# Altium PCB LightLink_V2.1_FINAL_LAYOUT.PcbDoc (part 3 of 3) (continued)
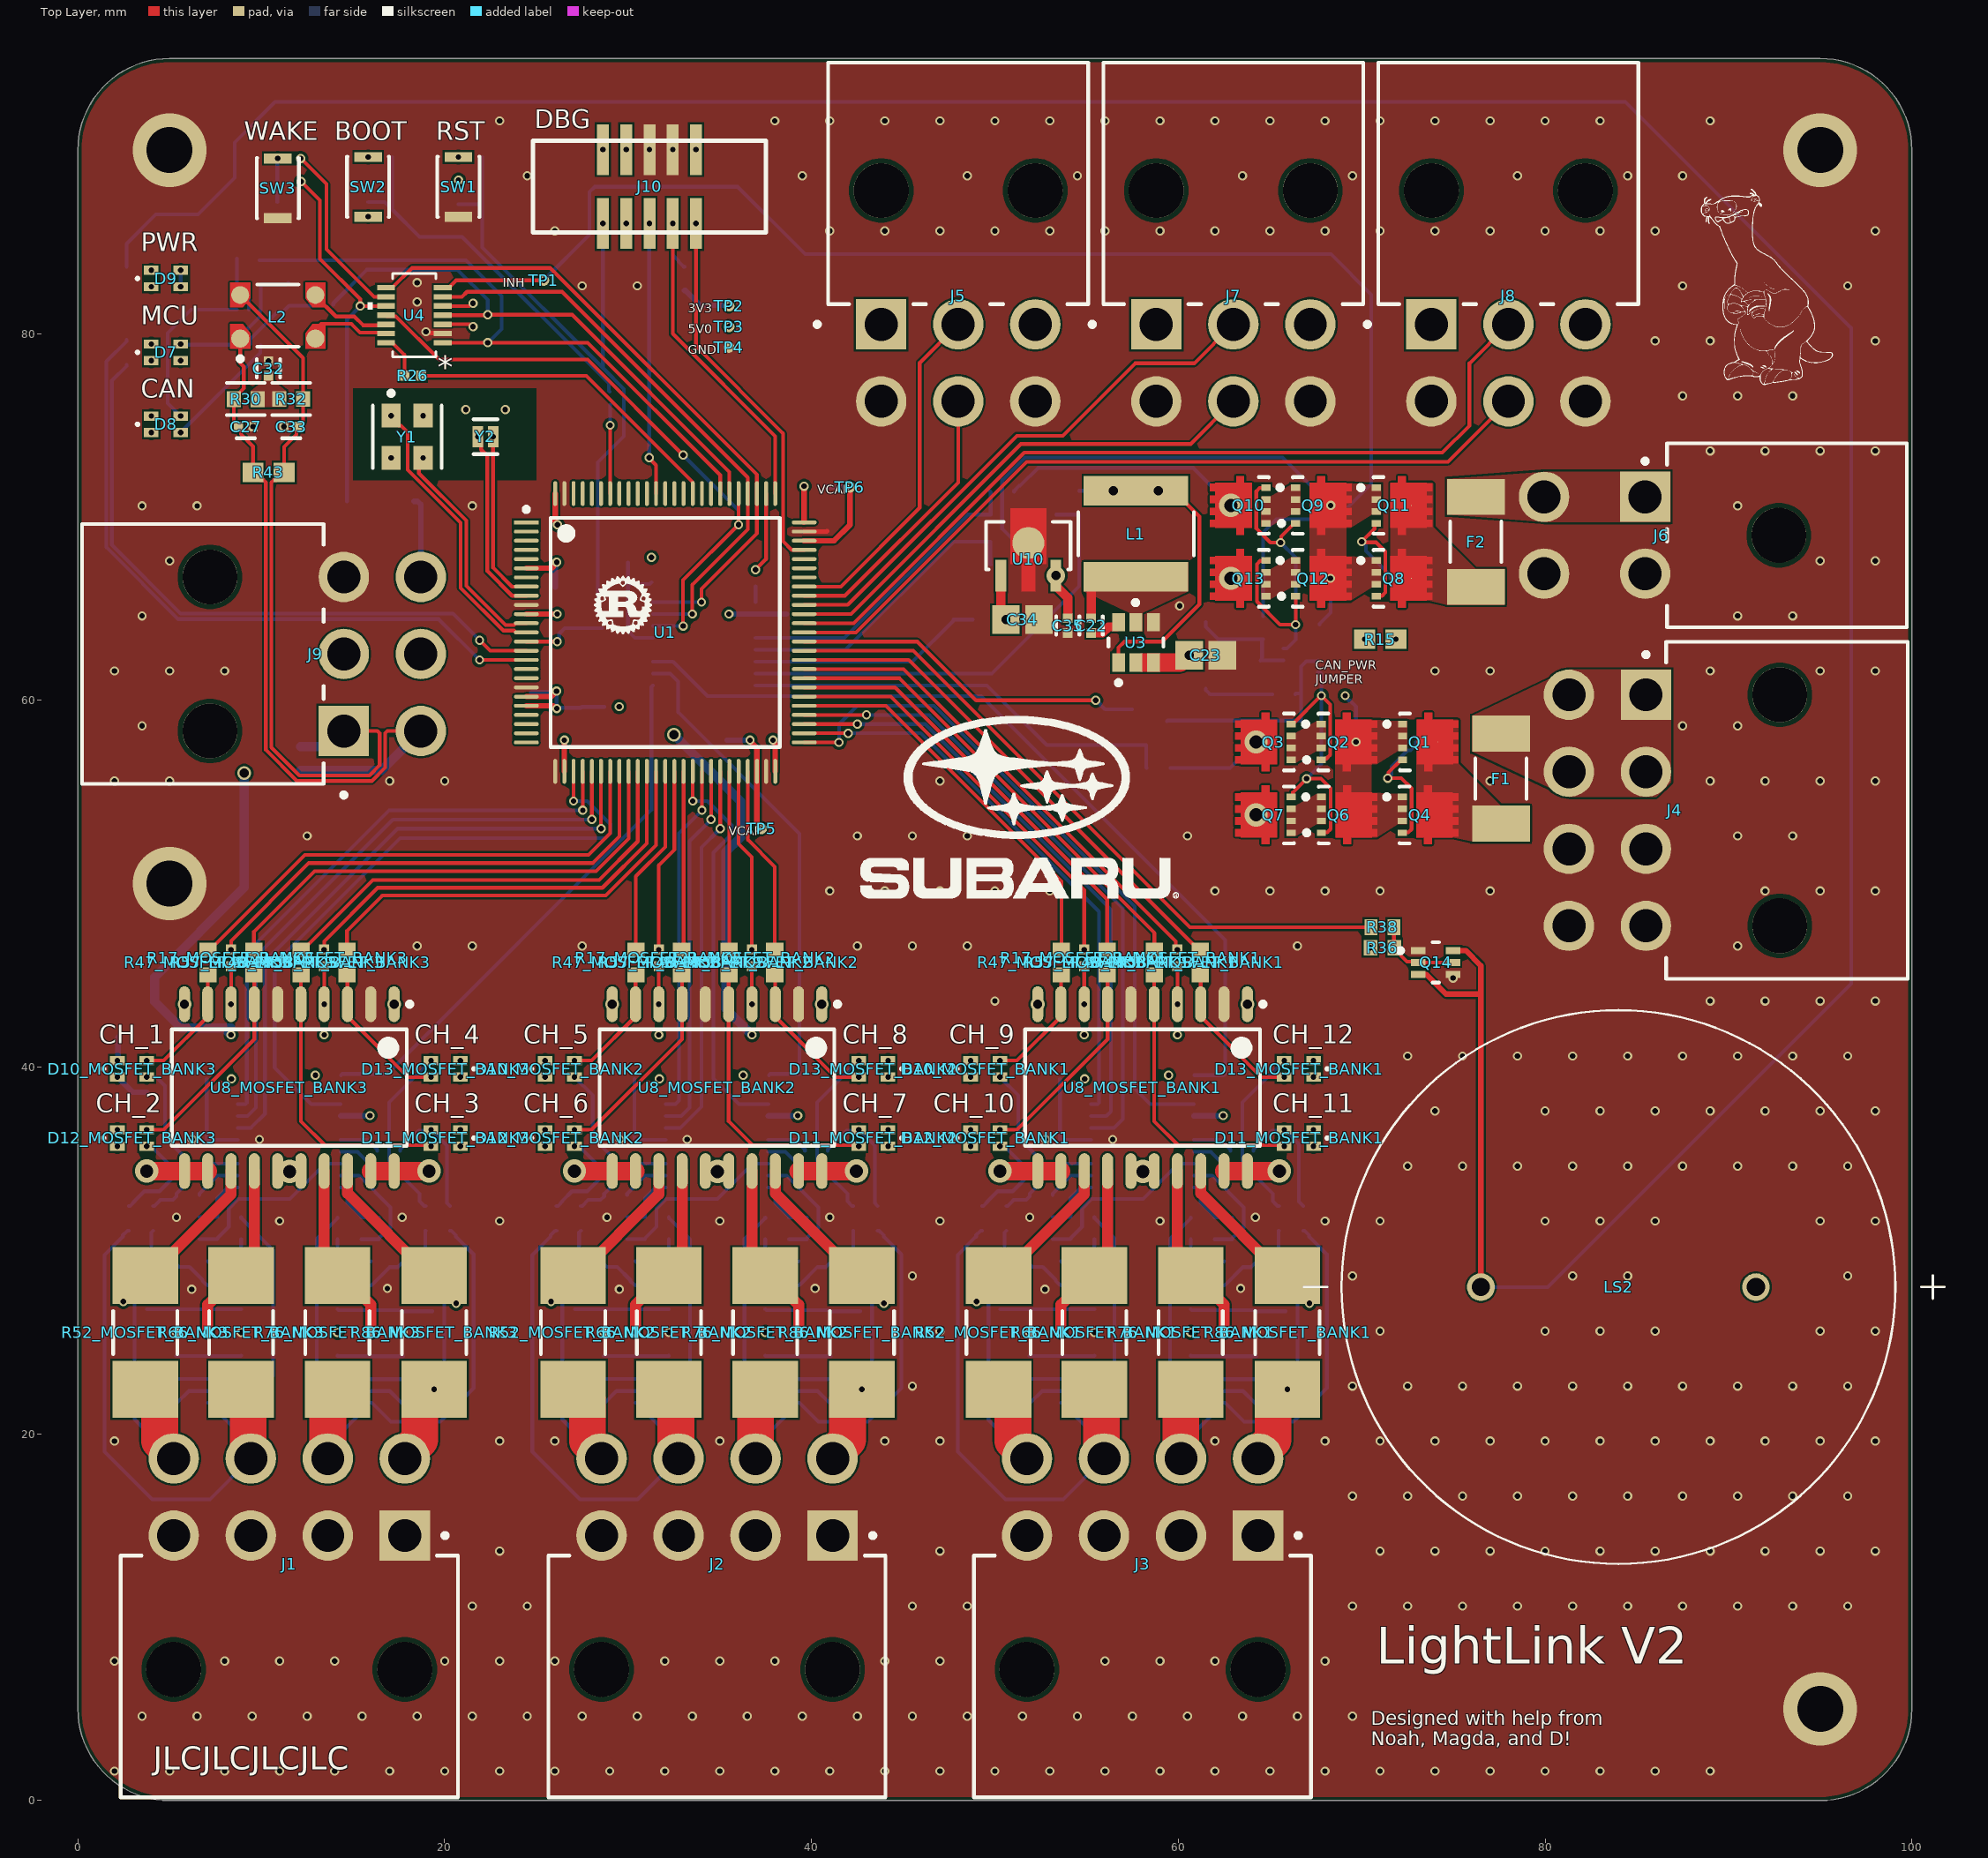
[diagram p0: Top Layer view]
## Nets (pads, with @x,y where several pads share a name; then routed paths per layer and width w, separated by ;. In a path a pad name is that pad's centre, name@x,y a point inside that pad or via, vN(x,y) a via of type N, cw(c..) or ccw(c..) an arc to the next point about the centre after c; other vN are vias at no path point) (continued)
NetR49_MOSFET_BANK3_2: R49_MOSFET_BANK3.2 R53_MOSFET_BANK3.1 U7_MOSFET_BANK3.13 | length 4.1
  Bottom Layer w0.2: R53_MOSFET_BANK3.1@5.3,29.31 5.511,29.099 6.086,29.099 6.794,28.39 6.794,28.337 7.022,28.109 R49_MOSFET_BANK3.2@7.075,28.109 7.097,28.087 8.878,28.087 U7_MOSFET_BANK3.13@8.9,28.065
NetR56_MOSFET_BANK1_1: R56_MOSFET_BANK1.1 R59_MOSFET_BANK1.2 U7_MOSFET_BANK1.12 | length 5.1
  Bottom Layer w0.2: R56_MOSFET_BANK1.1@50.3,26.785 R59_MOSFET_BANK1.2@51.85,26.784 ; R59_MOSFET_BANK1.2@51.85,26.784 51.855,26.79 55.42,26.79 U7_MOSFET_BANK1.12@55.425,26.795
NetR56_MOSFET_BANK2_1: R56_MOSFET_BANK2.1 R59_MOSFET_BANK2.2 U7_MOSFET_BANK2.12 | length 5.1
  Bottom Layer w0.2: R56_MOSFET_BANK2.1@27.1,26.785 R59_MOSFET_BANK2.2@28.65,26.784 28.655,26.79 32.22,26.79 U7_MOSFET_BANK2.12@32.225,26.795
NetR56_MOSFET_BANK3_1: R56_MOSFET_BANK3.1 R59_MOSFET_BANK3.2 U7_MOSFET_BANK3.12 | length 5.1
  Bottom Layer w0.2: R56_MOSFET_BANK3.1@3.775,26.785 R59_MOSFET_BANK3.2@5.325,26.784 5.33,26.79 8.895,26.79 U7_MOSFET_BANK3.12@8.9,26.795
NetR64_MOSFET_BANK1_1: R64_MOSFET_BANK1.1 R69_MOSFET_BANK1.2 U7_MOSFET_BANK1.8 | length 15.4
  Bottom Layer w0.2: R64_MOSFET_BANK1.1@51.875,21.684 51.928,21.684 52.569,22.325 54.465,22.325 55.075,21.715 U7_MOSFET_BANK1.8@55.425,21.715 55.6,21.89 56.114,21.89 56.525,22.301 56.525,30.66 55.425,31.76 R69_MOSFET_BANK1.2@55.425,31.81
NetR64_MOSFET_BANK1_2: R64_MOSFET_BANK1.2 R67_MOSFET_BANK1.1 U7_MOSFET_BANK1.9 | length 3.6
  Bottom Layer w0.2: R64_MOSFET_BANK1.2@51.875,22.985 R67_MOSFET_BANK1.1@53.6,22.985 ; R67_MOSFET_BANK1.1@53.6,22.985 U7_MOSFET_BANK1.9@55.425,22.985
NetR64_MOSFET_BANK2_1: R64_MOSFET_BANK2.1 R69_MOSFET_BANK2.2 U7_MOSFET_BANK2.8 | length 15.3
  Bottom Layer w0.2: R64_MOSFET_BANK2.1@28.675,21.684 28.728,21.684 29.369,22.325 31.265,22.325 31.875,21.715 32.575,21.715 32.75,21.89 32.75,21.939 33.375,22.564 33.375,30.61 32.225,31.76 R69_MOSFET_BANK2.2@32.225,31.81
NetR64_MOSFET_BANK2_2: R64_MOSFET_BANK2.2 R67_MOSFET_BANK2.1 U7_MOSFET_BANK2.9 | length 3.6
  Bottom Layer w0.2: R64_MOSFET_BANK2.2@28.675,22.985 R67_MOSFET_BANK2.1@30.4,22.985 ; R67_MOSFET_BANK2.1@30.4,22.985 U7_MOSFET_BANK2.9@32.225,22.985
NetR64_MOSFET_BANK3_1: R64_MOSFET_BANK3.1 R69_MOSFET_BANK3.2 U7_MOSFET_BANK3.8 | length 15.8
  Bottom Layer w0.2: R64_MOSFET_BANK3.1@5.35,21.684 5.403,21.684 6.044,22.325 7.94,22.325 8.55,21.715 9.25,21.715 9.425,21.89 9.425,21.939 10.65,23.164 10.65,30.01 8.9,31.76 R69_MOSFET_BANK3.2@8.9,31.81
NetR64_MOSFET_BANK3_2: R64_MOSFET_BANK3.2 R67_MOSFET_BANK3.1 U7_MOSFET_BANK3.9 | length 3.6
  Bottom Layer w0.2: R64_MOSFET_BANK3.2@5.35,22.985 R67_MOSFET_BANK3.1@7.075,22.985 ; R67_MOSFET_BANK3.1@7.075,22.985 U7_MOSFET_BANK3.9@8.9,22.985
NetR70_MOSFET_BANK1_1: R70_MOSFET_BANK1.1 R71_MOSFET_BANK1.2 U7_MOSFET_BANK1.10 | length 3.6
  Bottom Layer w0.2: R71_MOSFET_BANK1.2@51.875,24.234 R70_MOSFET_BANK1.1@53.6,24.235 ; R70_MOSFET_BANK1.1@53.6,24.235 53.61,24.245 55.415,24.245 U7_MOSFET_BANK1.10@55.425,24.255
NetR70_MOSFET_BANK2_1: R70_MOSFET_BANK2.1 R71_MOSFET_BANK2.2 U7_MOSFET_BANK2.10 | length 3.6
  Bottom Layer w0.2: R71_MOSFET_BANK2.2@28.675,24.234 R70_MOSFET_BANK2.1@30.4,24.235 ; R70_MOSFET_BANK2.1@30.4,24.235 30.41,24.245 32.215,24.245 U7_MOSFET_BANK2.10@32.225,24.255
NetR70_MOSFET_BANK3_1: R70_MOSFET_BANK3.1 R71_MOSFET_BANK3.2 U7_MOSFET_BANK3.10 | length 3.6
  Bottom Layer w0.2: R71_MOSFET_BANK3.2@5.35,24.234 R70_MOSFET_BANK3.1@7.075,24.235 ; R70_MOSFET_BANK3.1@7.075,24.235 7.085,24.245 8.89,24.245 U7_MOSFET_BANK3.10@8.9,24.255
NetR74_MOSFET_BANK1_1: R74_MOSFET_BANK1.1 R79_MOSFET_BANK1.2 U7_MOSFET_BANK1.7 | length 15.3
  Bottom Layer w0.2: R79_MOSFET_BANK1.2@60.675,31.8 60.675,31.75 59.55,30.625 59.55,22.49 60.325,21.715 U7_MOSFET_BANK1.7@60.675,21.715 61.025,21.715 61.635,22.325 63.531,22.325 64.197,21.659 R74_MOSFET_BANK1.1@64.25,21.659
NetR74_MOSFET_BANK1_2: R74_MOSFET_BANK1.2 R77_MOSFET_BANK1.1 U7_MOSFET_BANK1.6 | length 3.6
  Bottom Layer w0.2: U7_MOSFET_BANK1.6@60.675,22.985 R77_MOSFET_BANK1.1@62.5,22.985 62.512,22.973 64.238,22.973 R74_MOSFET_BANK1.2@64.25,22.961
NetR74_MOSFET_BANK2_1: R74_MOSFET_BANK2.1 R79_MOSFET_BANK2.2 U7_MOSFET_BANK2.7 | length 15.3
  Bottom Layer w0.2: R79_MOSFET_BANK2.2@37.475,31.8 37.475,31.75 36.35,30.625 36.35,22.49 37.125,21.715 U7_MOSFET_BANK2.7@37.475,21.715 37.825,21.715 38.435,22.325 40.331,22.325 40.997,21.659 R74_MOSFET_BANK2.1@41.05,21.659
NetR74_MOSFET_BANK2_2: R74_MOSFET_BANK2.2 R77_MOSFET_BANK2.1 U7_MOSFET_BANK2.6 | length 3.6
  Bottom Layer w0.2: U7_MOSFET_BANK2.6@37.475,22.985 R77_MOSFET_BANK2.1@39.3,22.985 39.312,22.973 41.038,22.973 R74_MOSFET_BANK2.2@41.05,22.961
NetR74_MOSFET_BANK3_1: R74_MOSFET_BANK3.1 R79_MOSFET_BANK3.2 U7_MOSFET_BANK3.7 | length 15.3
  Bottom Layer w0.2: R79_MOSFET_BANK3.2@14.15,31.8 14.15,31.75 13.025,30.625 13.025,22.49 13.8,21.715 U7_MOSFET_BANK3.7@14.15,21.715 14.5,21.715 15.11,22.325 17.006,22.325 17.672,21.659 R74_MOSFET_BANK3.1@17.725,21.659
NetR74_MOSFET_BANK3_2: R74_MOSFET_BANK3.2 R77_MOSFET_BANK3.1 U7_MOSFET_BANK3.6 | length 3.6
  Bottom Layer w0.2: U7_MOSFET_BANK3.6@14.15,22.985 R77_MOSFET_BANK3.1@15.975,22.985 15.987,22.973 17.713,22.973 R74_MOSFET_BANK3.2@17.725,22.961
NetR80_MOSFET_BANK1_1: R80_MOSFET_BANK1.1 R81_MOSFET_BANK1.2 U7_MOSFET_BANK1.5 | length 3.6
  Bottom Layer w0.2: U7_MOSFET_BANK1.5@60.675,24.255 60.69,24.24 62.485,24.24 R80_MOSFET_BANK1.1@62.5,24.225 ; R80_MOSFET_BANK1.1@62.5,24.225 R81_MOSFET_BANK1.2@64.249,24.224
NetR80_MOSFET_BANK2_1: R80_MOSFET_BANK2.1 R81_MOSFET_BANK2.2 U7_MOSFET_BANK2.5 | length 3.6
  Bottom Layer w0.2: U7_MOSFET_BANK2.5@37.475,24.255 37.49,24.24 39.285,24.24 R80_MOSFET_BANK2.1@39.3,24.225 ; R80_MOSFET_BANK2.1@39.3,24.225 R81_MOSFET_BANK2.2@41.05,24.223
NetR80_MOSFET_BANK3_1: R80_MOSFET_BANK3.1 R81_MOSFET_BANK3.2 U7_MOSFET_BANK3.5 | length 3.6
  Bottom Layer w0.2: U7_MOSFET_BANK3.5@14.15,24.255 14.165,24.24 15.96,24.24 R80_MOSFET_BANK3.1@15.975,24.225 ; R80_MOSFET_BANK3.1@15.975,24.225 R81_MOSFET_BANK3.2@17.725,24.223
NetR83_MOSFET_BANK1_1: R83_MOSFET_BANK1.1 R89_MOSFET_BANK1.2 U7_MOSFET_BANK1.1 | length 3.1
  Bottom Layer w0.2: R89_MOSFET_BANK1.2@60.675,30.6 U7_MOSFET_BANK1.1@60.675,29.335 60.713,29.373 62.462,29.373 R83_MOSFET_BANK1.1@62.5,29.411
NetR83_MOSFET_BANK1_2: R83_MOSFET_BANK1.2 R87_MOSFET_BANK1.1 U7_MOSFET_BANK1.2 | length 4
  Bottom Layer w0.2: U7_MOSFET_BANK1.2@60.675,28.065 60.697,28.087 62.478,28.087 R83_MOSFET_BANK1.2@62.5,28.109 62.553,28.109 63.534,29.09 63.98,29.09 R87_MOSFET_BANK1.1@64.175,29.285
NetR83_MOSFET_BANK2_1: R83_MOSFET_BANK2.1 R89_MOSFET_BANK2.2 U7_MOSFET_BANK2.1 | length 3.1
  Bottom Layer w0.2: R89_MOSFET_BANK2.2@37.475,30.6 U7_MOSFET_BANK2.1@37.475,29.335 37.513,29.373 39.262,29.373 R83_MOSFET_BANK2.1@39.3,29.411
NetR83_MOSFET_BANK2_2: R83_MOSFET_BANK2.2 R87_MOSFET_BANK2.1 U7_MOSFET_BANK2.2 | length 4
  Bottom Layer w0.2: U7_MOSFET_BANK2.2@37.475,28.065 37.497,28.087 39.278,28.087 R83_MOSFET_BANK2.2@39.3,28.109 39.353,28.109 40.334,29.09 40.78,29.09 R87_MOSFET_BANK2.1@40.975,29.285
NetR83_MOSFET_BANK3_1: R83_MOSFET_BANK3.1 R89_MOSFET_BANK3.2 U7_MOSFET_BANK3.1 | length 3.1
  Bottom Layer w0.2: R89_MOSFET_BANK3.2@14.15,30.6 U7_MOSFET_BANK3.1@14.15,29.335 14.188,29.373 15.937,29.373 R83_MOSFET_BANK3.1@15.975,29.411
NetR83_MOSFET_BANK3_2: R83_MOSFET_BANK3.2 R87_MOSFET_BANK3.1 U7_MOSFET_BANK3.2 | length 4
  Bottom Layer w0.2: U7_MOSFET_BANK3.2@14.15,28.065 14.172,28.087 15.953,28.087 R83_MOSFET_BANK3.2@15.975,28.109 16.028,28.109 17.009,29.09 17.455,29.09 R87_MOSFET_BANK3.1@17.65,29.285
NetR90_MOSFET_BANK1_1: R90_MOSFET_BANK1.1 R91_MOSFET_BANK1.2 U7_MOSFET_BANK1.3 | length 5.2
  Bottom Layer w0.2: U7_MOSFET_BANK1.3@60.675,26.795 60.73,26.74 64.195,26.74 R91_MOSFET_BANK1.2@64.25,26.684 R90_MOSFET_BANK1.1@65.85,26.685
NetR90_MOSFET_BANK2_1: R90_MOSFET_BANK2.1 R91_MOSFET_BANK2.2 U7_MOSFET_BANK2.3 | length 5.2
  Bottom Layer w0.2: U7_MOSFET_BANK2.3@37.475,26.795 37.53,26.74 40.995,26.74 R91_MOSFET_BANK2.2@41.05,26.684 R90_MOSFET_BANK2.1@42.65,26.685
NetR90_MOSFET_BANK3_1: R90_MOSFET_BANK3.1 R91_MOSFET_BANK3.2 U7_MOSFET_BANK3.3 | length 5.2
  Bottom Layer w0.2: U7_MOSFET_BANK3.3@14.15,26.795 14.205,26.74 17.67,26.74 R91_MOSFET_BANK3.2@17.725,26.684 R90_MOSFET_BANK3.1@19.325,26.685
NetR97_MOSFET_BANK1_2: R97_MOSFET_BANK1.2 U9_MOSFET_BANK1.4 | length 2.3
  Bottom Layer w0.2: U9_MOSFET_BANK1.4@60.85,36.025 62.323,36.025 62.84,35.508 R97_MOSFET_BANK1.2@62.84,35.433
NetR97_MOSFET_BANK2_2: R97_MOSFET_BANK2.2 U9_MOSFET_BANK2.4 | length 2.3
  Bottom Layer w0.2: U9_MOSFET_BANK2.4@37.65,36.025 39.123,36.025 39.64,35.508 R97_MOSFET_BANK2.2@39.64,35.433
NetR97_MOSFET_BANK3_2: R97_MOSFET_BANK3.2 U9_MOSFET_BANK3.4 | length 2.3
  Bottom Layer w0.2: U9_MOSFET_BANK3.4@14.325,36.025 15.798,36.025 16.315,35.508 R97_MOSFET_BANK3.2@16.315,35.433
NetR98_MOSFET_BANK1_2: R98_MOSFET_BANK1.2 U9_MOSFET_BANK1.5 | length 2.5
  Bottom Layer w0.2: U9_MOSFET_BANK1.5@60.85,35.375 61.773,35.375 62.84,34.308 R98_MOSFET_BANK1.2@62.84,34.233
NetR98_MOSFET_BANK2_2: R98_MOSFET_BANK2.2 U9_MOSFET_BANK2.5 | length 2.5
  Bottom Layer w0.2: U9_MOSFET_BANK2.5@37.65,35.375 38.573,35.375 39.64,34.308 R98_MOSFET_BANK2.2@39.64,34.233
NetR98_MOSFET_BANK3_2: R98_MOSFET_BANK3.2 U9_MOSFET_BANK3.5 | length 2.5
  Bottom Layer w0.2: U9_MOSFET_BANK3.5@14.325,35.375 15.248,35.375 16.315,34.308 R98_MOSFET_BANK3.2@16.315,34.233
NetR101_MOSFET_BANK1_2: R101_MOSFET_BANK1.2 U9_MOSFET_BANK1.10 | length 2.6
  Bottom Layer w0.2: R101_MOSFET_BANK1.2@53.15,33.02 53.15,33.095 54.13,34.075 U9_MOSFET_BANK1.10@55.25,34.075
NetR101_MOSFET_BANK2_2: R101_MOSFET_BANK2.2 U9_MOSFET_BANK2.10 | length 2.6
  Bottom Layer w0.2: R101_MOSFET_BANK2.2@29.95,33.02 29.95,33.095 30.93,34.075 U9_MOSFET_BANK2.10@32.05,34.075
NetR101_MOSFET_BANK3_2: R101_MOSFET_BANK3.2 U9_MOSFET_BANK3.10 | length 2.6
  Bottom Layer w0.2: R101_MOSFET_BANK3.2@6.625,33.02 6.625,33.095 7.605,34.075 U9_MOSFET_BANK3.10@8.725,34.075
NetR104_MOSFET_BANK1_2: R104_MOSFET_BANK1.2 U9_MOSFET_BANK1.11 | length 2.4
  Bottom Layer w0.2: R104_MOSFET_BANK1.2@53.15,34.22 53.15,34.295 53.58,34.725 U9_MOSFET_BANK1.11@55.25,34.725
NetR104_MOSFET_BANK2_2: R104_MOSFET_BANK2.2 U9_MOSFET_BANK2.11 | length 2.4
  Bottom Layer w0.2: R104_MOSFET_BANK2.2@29.95,34.22 29.95,34.295 30.38,34.725 U9_MOSFET_BANK2.11@32.05,34.725
NetR104_MOSFET_BANK3_2: R104_MOSFET_BANK3.2 U9_MOSFET_BANK3.11 | length 2.4
  Bottom Layer w0.2: R104_MOSFET_BANK3.2@6.625,34.22 6.625,34.295 7.055,34.725 U9_MOSFET_BANK3.11@8.725,34.725
PRE_12V: D2.1 Q8.1 Q8.2 Q8.3 Q9.5-6-7-8 Q11.1 Q11.2 Q11.3 Q12.5-6-7-8 R5.1 R8.1 | length 26.1
  Bottom Layer w0.2: R8.1@51.05,68.65 51.05,68.7 50.4,69.35 50.4,72 51.65,73.25 65.685,73.25 v1(68.31,70.625) ; R5.1@67.7,64.125 67.7,64.175 68.3,64.775 v1(68.3,66.65) D2.1@68.3,66.805
PRE_12V_SENSE: R8.2 R13.2 U2.5 | length 16.5
  Bottom Layer w0.2: U2.5@36.95,62.75 41.85,62.75 47.75,68.65 R8.2@49.75,68.65 49.75,67.421 R13.2@49.775,67.396
PRE_CAN_N: L2.3 U4.12 | length 4.6
  Top Layer w0.2: L2.3@12.95,82.1 12.95,82.051 14.071,80.93 15.077,80.93 15.556,80.451 16.416,80.451 16.465,80.5 U4.12@16.802,80.5
PRE_CAN_P: L2.2 U4.13 | length 4.7
  Top Layer w0.2: L2.2@12.95,79.725 13.043,79.818 13.043,80.313 13.258,80.528 14.91,80.528 15.39,80.049 16.416,80.049 16.465,80 U4.13@16.802,80
PRE_VCC: D1.1 Q1.1 Q1.2 Q1.3 Q2.5-6-7-8 Q4.1 Q4.2 Q4.3 Q6.5-6-7-8 R1.1 | length 2.8
  Bottom Layer w0.2: v1(69.1,60.25) 69.1,60.2 69.325,59.975 69.375,59.975 69.694,59.656 v1(69.694,57.725)
PWR_IN: F1.1 J4.1 J4.2 J4.5 J4.6 R15.2 | length 10.7
  PWR w0.5: v1(71.863,63.327) 78.273,63.327 J4.5@81.3,60.3
PWR_MOSFET: Q2.4 Q3.4 Q5.6 Q6.4 Q7.4 R1.2 | length 18.4
  Top Layer w0.2: Q7.4@66.154,54.725 66.229,54.725 66.254,54.75 66.254,54.979 v1(67,55.725) ; Q3.4@66.154,58.7 66.229,58.7 67.779,60.25 v1(67.8,60.25) 68.275,59.775 68.275,57.019 68.054,56.798 67.842,56.798 Q2.4@67.794,56.75 Q2.4@67.719,56.75 ; v1@67.047,55.772 v1(67,55.725) ; Q6.4@67.804,52.775 67.829,52.8 68.124,52.8 68.3,52.976 68.3,55.199 67.774,55.725 v1(67,55.725)
  Bottom Layer w0.2: v1(67,55.725) 67.8,56.525 v1(67.8,60.25) 67.8,61.452 67.727,61.525 Q5.6@67.625,61.525
R_LED: R39.1 U1.16 | length 37.2
  Top Layer w0.2: v1(21.9,62.2) U1.16@24.45,62.2
  Bottom Layer w0.2: R39.1@2.65,79.65 2.65,79.575 1.548,78.473 1.548,68.35 5.475,64.423 19.677,64.423 v1(21.9,62.2)
RESETN: C17.1 J10.10 R24.2 R42.1 R45.2 | length 37.8
  Bottom Layer w0.2: C17.1@20.745,87.05 22.05,87.05 ; R42.1@22.05,89.625 R45.2@22.05,88.37 22.05,87.05 ; R24.2@28.35,64.825 28.35,72.975 29.775,74.4 29.775,76.975 28.625,78.125 ; v1(28.625,86) 28.625,78.125 ; 22.05,87.05 22.05,84.7 28.625,78.125
RP_MOS_LINK: D1.2 Q1.4 Q4.4 R4.1 | length 8.5
  Top Layer w0.2: Q4.4@72.219,52.775 72.244,52.8 72.549,52.8 72.725,52.976 72.725,55.189 72.164,55.75 v1(71.425,55.75) 71.463,55.788 71.463,56.06 72.154,56.75 Q1.4@72.229,56.75
  Bottom Layer w0.2: R4.1@71.425,55.8 v1(71.425,55.75) 71.625,55.95 71.625,56.386 72.504,57.265 72.659,57.265 72.964,57.57 D1.2@72.964,57.725
RP_MOS_LINK_12V: D2.2 Q8.4 Q11.4 R12.1 | length 8.3
  Top Layer w0.2: Q8.4@70.8,65.675 70.825,65.7 71.113,65.7 71.289,65.876 71.289,68.111 70.788,68.612 70.038,68.612 v1(70,68.65) 70.7,69.35 70.7,69.625 70.725,69.65 Q11.4@70.8,69.65
  Bottom Layer w0.2: v1(70,68.65) 70.225,68.425 70.225,68.15 71.57,66.805 D2.2@71.57,66.65
SPI3_MISO: U1.79 U2.15 U4.6 | length 31.8
  Top Layer w0.2: U4.6@19.888,82 20.94,82 21.214,82.275 26.4,82.275 36.525,72.15 U1.79@36.525,71.275 36.525,69.325 33.5,66.3 v1(33.5,64.7)
  Bottom Layer w0.2: U2.15@31.35,64.7 v1(33.5,64.7)
SPI3_MOSI: U1.80 U2.14 U4.11 | length 34.5
  Top Layer w0.2: U4.11@16.802,81 16.854,80.948 17.327,80.948 19.7,78.575 27.8,78.575 v1(33,73.375) ; v1(33,64.05) 33,66.55 v1@36.011,69.561 ; v1(36.025,69.575) U1.80@36.025,71.275
  Bottom Layer w0.2: U2.14@31.35,64.05 v1(33,64.05) ; v1(33,73.375) 36.025,70.35 v1(36.025,69.575)
SPI3_SCLK: U1.78 U2.16 U4.8 | length 36.2
  Top Layer w0.2: U4.8@16.802,82.501 17.138,82.501 18.213,83.575 25.75,83.575 37.025,72.3 U1.78@37.025,71.275 37.025,69.1 34,66.075 v1(34,65.35)
  Bottom Layer w0.2: U2.16@31.35,65.35 v1(34,65.35)
STAT_12_MOSFET_BANK1: R17_MOSFET_BANK1.1 R84_MOSFET_BANK1.1 U8_MOSFET_BANK1.8 | length 2.1
  Top Layer w0.2: v1(54.875,43.425) R17_MOSFET_BANK1.1@54.875,45.5
STAT_12_MOSFET_BANK2: R17_MOSFET_BANK2.1 R84_MOSFET_BANK2.1 U8_MOSFET_BANK2.8 | length 2.1
  Top Layer w0.2: v1(31.675,43.425) R17_MOSFET_BANK2.1@31.675,45.5
STAT_12_MOSFET_BANK3: R17_MOSFET_BANK3.1 R84_MOSFET_BANK3.1 U8_MOSFET_BANK3.8 | length 2.1
  Top Layer w0.2: v1(8.35,43.425) R17_MOSFET_BANK3.1@8.35,45.5
STAT_34_MOSFET_BANK1: R21_MOSFET_BANK1.1 R85_MOSFET_BANK1.1 U8_MOSFET_BANK1.4 | length 2.1
  Top Layer w0.2: R21_MOSFET_BANK1.1@59.95,45.5 59.953,45.497 59.953,43.428 v1(59.955,43.425)
STAT_34_MOSFET_BANK2: R21_MOSFET_BANK2.1 R85_MOSFET_BANK2.1 U8_MOSFET_BANK2.4 | length 2.1
  Top Layer w0.2: R21_MOSFET_BANK2.1@36.75,45.5 36.753,45.497 36.753,43.428 v1(36.755,43.425)
STAT_34_MOSFET_BANK3: R21_MOSFET_BANK3.1 R85_MOSFET_BANK3.1 U8_MOSFET_BANK3.4 | length 2.1
  Top Layer w0.2: R21_MOSFET_BANK3.1@13.425,45.5 13.428,45.497 13.428,43.428 v1(13.43,43.425)
SWCLK: J10.4 R10.2 U1.76 | length 19.7
  Top Layer w0.2: v1(32.435,86) 32.435,79.99 38.025,74.4 U1.76@38.025,71.275
  Bottom Layer w0.2: v1(32.435,86) 32.435,84.29 32.75,83.975 32.75,83.925 33.025,83.65 R10.2@33.075,83.65
SWDIO: J10.2 U1.72 | length 20.6
  Top Layer w0.2: v1(33.705,86) 33.705,79.295 38.45,74.55 38.45,68.673 38.923,68.2 U1.72@39.6,68.2
SWO: J10.6 U1.89 | length 14.9
  Top Layer w0.2: v1(31.15,73.225) 31.15,73.197 31.525,72.822 U1.89@31.525,71.275
  Bottom Layer w0.2: v1(31.15,73.225) 31.15,85.985 v1(31.165,86)
VCC: C23.2 C35.2 LS2.P Q3.5-6-7-8 Q7.5-6-7-8 R11.1 U3.2 U3.3 U7_MOSFET_BANK1.4 U7_MOSFET_BANK2.4 U7_MOSFET_BANK3.4 U8_MOSFET_BANK1.1 U8_MOSFET_BANK1.10 U8_MOSFET_BANK1.11 U8_MOSFET_BANK1.12 U8_MOSFET_BANK1.15 U8_MOSFET_BANK1.16 U8_MOSFET_BANK1.19 U8_MOSFET_BANK1.20 U8_MOSFET_BANK2.1 U8_MOSFET_BANK2.10 U8_MOSFET_BANK2.11 U8_MOSFET_BANK2.12 U8_MOSFET_BANK2.15 U8_MOSFET_BANK2.16 U8_MOSFET_BANK2.19 U8_MOSFET_BANK2.20 U8_MOSFET_BANK3.1 U8_MOSFET_BANK3.10 U8_MOSFET_BANK3.11 U8_MOSFET_BANK3.12 U8_MOSFET_BANK3.15 U8_MOSFET_BANK3.16 U8_MOSFET_BANK3.19 U8_MOSFET_BANK3.20 U10.3 | length 39
  Top Layer w0.5: v4(53.325,66.8) 53.325,66.225 53.975,65.575 C35.2@53.975,64.475
  Top Layer w1: v2(3.75,34.325) U8_MOSFET_BANK3.11@5.81,34.325 U8_MOSFET_BANK3.12@7.08,34.325 ; U8_MOSFET_BANK3.19@15.97,34.325 U8_MOSFET_BANK3.20@17.24,34.325 v2(19.15,34.325) ; v2(27.075,34.325) U8_MOSFET_BANK2.11@29.135,34.325 U8_MOSFET_BANK2.12@30.405,34.325 ; U8_MOSFET_BANK2.19@39.295,34.325 v2(42.45,34.325) ; v2(50.275,34.325) U8_MOSFET_BANK1.11@52.335,34.325 U8_MOSFET_BANK1.12@53.605,34.325 ; 58.042,62.055 U3.3@58.642,62.055 60.105,62.055 60.5,62.45 v4(60.598,62.45) ; U8_MOSFET_BANK1.19@62.495,34.325 v2(65.513,34.325)
  GND w0.5: v4(53.325,66.8) 56.248,66.8 v4(60.598,62.45)
  Bottom Layer w0.2: R11.1@59.575,56.3 62.819,56.3 v2(64.244,57.725)
  other v1: 14.15,25.525 37.475,25.525 60.675,25.525
  other v2: 11.55,34.3 34.875,34.3 58.075,34.3 64.244,53.75
  other v3: 5.81,43.425 17.24,43.425 29.135,43.425 40.565,43.425 52.335,43.425 63.765,43.425
VCC_SENSE: R11.2 R16.2 U2.8 | length 23.9
  Bottom Layer w0.2: U2.8@36.95,60.8 49.575,60.8 52.825,57.55 R16.2@58.25,57.55 58.25,56.325 R11.2@58.275,56.3
VDDA: C7.1 C8.2 C11.2 C40.1 FB1.2 U1.20 U1.21 | length 8.5
  Top Layer w0.3: U1.21@24.45,59.7 25.906,59.7 26.056,59.55 v1(26.11,59.55) ; U1.20@24.45,60.2 25.8,60.2 v1(26.096,60.496)
  Bottom Layer w0.2: v1(26.096,60.496) 26.103,60.489 26.103,59.557 v1(26.11,59.55) 26.149,59.589 27.421,59.589 C7.1@27.46,59.629 27.471,59.639 28.699,59.639 FB1.2@28.71,59.65
  Bottom Layer w0.3: C40.1@24.735,60.421 25.972,60.421 26.046,60.496 v1(26.096,60.496)
X32_N: C19.1 U1.9 Y2.2 | length 10.2
  Top Layer w0.2: v1(21.813,74.375) 21.985,74.203 21.985,73.665 22.325,73.325 22.325,67.047 23.672,65.7 U1.9@24.45,65.7
X32_P: C18.1 U1.8 Y2.1 | length 9.4
  Top Layer w0.2: v1(22.637,74.375) 22.637,67.234 23.672,66.2 U1.8@24.45,66.2
X_N: C15.2 U1.13 Y1.1 | length 15.6
  Top Layer w0.2: v1(17.075,75.517) 17.075,75.392 17.5,74.967 17.625,74.967 17.975,74.617 17.975,72.575 20.875,69.675 20.875,66.125 23.201,63.799 23.776,63.799 23.875,63.7 U1.13@24.45,63.7
X_P: C14.2 U1.12 Y1.3 | length 12.3
  Top Layer w0.2: v1(18.825,73.217) 18.593,72.984 18.593,72.831 18.593,72.384 21.177,69.8 21.177,66.25 23.326,64.101 23.776,64.101 23.875,64.2 U1.12@24.45,64.2
pads on no net: J1. J2. J3. J4. J5. J6. J7. J8. J9. J9.2 J9.5 J10.7 J10.8 J10.9 Q15.3 Q15.4 Q15.5 U1.1 U1.2 U1.3 U1.4 U1.5 U1.7 U1.17 U1.18 U1.22 U1.23 U1.24 U1.25 U1.69 U1.70 U1.71 U1.83 U1.84 U1.86 U1.87 U1.88 U1.90 U1.91 U1.92 U1.93 U1.95 U1.96 U1.97 U1.98
copper on no net:
  other v1: 29.895,86 28.625,90.03 29.895,90.03

## Polygon pours and split planes (outlines as drawn)
GND on Top Layer "GND_L01_P025" (solid, remove dead copper, pour order 25): 5,0 cw(c5,5) 0,5 0,90 cw(c5,90) 5,95 95,95 cw(c95,90) 100,90 100,5 cw(c95,5) 95,0
PRE_VCC on Top Layer "PRE_VCC_L01_P000" (solid, pour order 0): 68.564,58.95 68.564,52.525 70.544,52.525 70.544,52.775 70.544,58.95
PRE_12V on Top Layer "PRE_12V_L01_P001" (solid, pour order 1): 67.17,71.85 67.17,65.425 69.15,65.425 69.15,65.675 69.15,71.85
NetC32_1 on Top Layer "NETC32_1_L01_P002" (solid, pour order 2): 10.13,77.96 10.13,77.44 9.425,76.856 9.425,75.994 11.353,75.994 11.357,75.998 11.357,76.86 10.65,77.44 10.65,77.96
NetC22_2 on Top Layer "NETC22_2_L01_P024" (solid, pour order 24): 57.342,63.754 57.342,64.754 54.842,65.93 54.842,67.53 60.542,67.53 60.542,65.93 58.042,64.754 58.042,63.754
12V_IN on Top Layer "12V_IN_L01_P023" (solid, pour order 23): 74.65,70.116 79.944,69.719 86.833,69.719 86.833,72.472 79.944,72.472 74.65,72.076
PWR_IN on Top Layer "PWR_IN_L01_P018" (solid, pour order 18): 86.875,61.675 86.875,55.53 86.07,54.725 81.3,54.725 76.025,57.2 76.025,59.16 81.3,61.675 84.125,61.675
NetF2_2 on Top Layer "NETF2_2_L01_P012" (solid, pour order 12): 71.624,71.866 71.575,71.817 71.575,65.425 73.664,65.425 74.65,65.206 77.8,65.206 77.8,67.166 76.204,67.166 73.904,69.466 73.904,71.816 73.854,71.866 73.604,71.866
NetF1_2 on Top Layer "NETF1_2_L01_P011" (solid, pour order 11): 72.999,58.95 72.989,58.94 72.989,52.525 74.969,52.525 76.025,52.29 79.175,52.29 79.175,54.25 77.579,54.25 75.279,56.55 75.279,58.9 75.229,58.95 74.979,58.95
PRE_VCC on Top Layer "PRE_VCC_L01_P010" (solid, pour order 10): 68.589,54.975 70.569,54.975 71.969,54.9 72.469,54.9 72.469,53.25 71.969,53.25 70.819,52.525 68.589,52.525
PRE_VCC on Top Layer "PRE_VCC_L01_P009" (solid, pour order 9): 68.599,58.95 70.579,58.95 71.979,58.875 72.479,58.875 72.479,57.225 71.979,57.225 70.829,56.5 68.599,56.5
PRE_12V on Top Layer "PRE_12V_L01_P008" (solid, pour order 8): 67.17,71.85 69.15,71.85 70.55,71.775 71.05,71.775 71.05,70.125 70.55,70.125 69.4,69.4 67.17,69.4
PRE_12V on Top Layer "PRE_12V_L01_P007" (solid, pour order 7): 67.17,67.875 69.15,67.875 70.55,67.8 71.05,67.8 71.05,66.15 70.55,66.15 69.4,65.425 67.17,65.425
NetQ9_1 on Top Layer "NETQ9_1_L01_P006" (solid, pour order 6): 64.525,71.125 64.525,69.475 65.025,69.475 66.165,70.125 66.665,70.125 66.665,71.775 66.165,71.775 65.025,71.125
NetQ12_1 on Top Layer "NETQ12_1_L01_P005" (solid, pour order 5): 64.525,67.15 64.525,65.5 65.025,65.5 66.165,66.15 66.665,66.15 66.665,67.8 66.165,67.8 65.025,67.15
NetQ6_1 on Top Layer "NETQ6_1_L01_P004" (solid, pour order 4): 65.904,54.25 65.904,52.6 66.404,52.6 67.544,53.25 68.044,53.25 68.044,54.9 67.544,54.9 66.404,54.25
NetQ2_1 on Top Layer "NETQ2_1_L01_P003" (solid, pour order 3): 65.904,58.225 65.904,56.575 66.404,56.575 67.544,57.225 68.044,57.225 68.044,58.875 67.544,58.875 66.404,58.225
3V3 on PWR "3V3_L03_P020" (solid, pour order 20): 0.25,54.074 0.25,55.025 43.65,55.025 ccw(c43.65,55.275) 43.827,55.098 53.204,64.475 61.25,64.475 ccw(c61.25,64.475) 61.25,64.475 61.25,72.225 ccw(c61,72.225) 61.177,72.402 60.602,72.977 ccw(c60.425,72.8) 60.425,73.05 43.179,73.05 41,75.229 41,94.75 95,94.75 ccw(c95,95) 95.25,95 ccw(c95,95) 95,95.25 5,95.25 4.999,95.25 ccw(c5,90) -0.25,90 -0.25,5 ccw(c0,5) 0.25,5
+12 on PWR "+12_L03_P021" (solid, pour order 21): 42.898,72.623 ccw(c43.075,72.8) 43.075,72.55 60.321,72.55 60.75,72.121 60.75,64.725 ccw(c61,64.725) 60.823,64.548 61.948,63.423 ccw(c62.125,63.6) 62.125,63.35 99.75,63.35 99.75,5 ccw(c100,5) 100.25,5 100.25,90 ccw(c95,90) 95,95.25 5,95.25 ccw(c5,95) 5,94.75 40.5,94.75 40.5,75.125 ccw(c40.75,75.125) 40.573,74.948
VCC on PWR "VCC_L03_P022" (solid, pour order 22): -0.25,90 -0.25,55.275 -0.25,90 -0.25,5 ccw(c5,5) 5,-0.25 95,-0.25 ccw(c95,5) 100.25,5 100.25,90 ccw(c100,90) 99.75,90 99.75,63.85 62.229,63.85 61.177,64.902 ccw(c61,64.725) 61,64.975 53.102,64.975 ccw(c53.1,64.725) 52.923,64.902 43.546,55.525 0.25,55.525 0.25,90 ccw(c0,90)
GND on GND "GND_L02_P026" (solid, pour order 26): 5,0 cw(c5,5) 0,5 0,90 cw(c5,90) 5,95 95,95 cw(c95,90) 100,90 100,5 cw(c95,5) 95,0
GND on Bottom Layer "GND_L04_P019" (solid, remove dead copper, pour order 19): 5,0 cw(c5,5) 0,5 0,90 cw(c5,90) 5,95 95,95 cw(c95,90) 100,90 100,5 cw(c95,5) 95,0

## Other copper
Top Layer:
  pour cut-out: 15,77 25,77 25,72 15,72
GND:
  pour cut-out: 15,77 25,77 25,72 15,72
PWR:
  pour cut-out: 15,77 25,77 25,72 15,72
Bottom Layer:
  pour cut-out: 15,77 25,77 25,72 15,72

## Silkscreen, mask and mechanical layers (free items; w line width, h text height)
Top Overlay:
  drawing of 30 lines, arcs and shapes, not listed
  text "DBG" at 24.9,91.2 h1
  text "WAKE" at 9.067,90.545 h1
  text "BOOT" at 13.992,90.545 h1
  text "RST" at 19.525,90.545 h1
  text "PWR" at 3.45,84.5 h1
  text "INH" at 23.159,82.538 h0.5
  text "3V3" at 33.259,81.138 h0.5
  text "MCU" at 3.45,80.5 h1
  text "5V0" at 33.259,80.013 h0.5
  text "GND" at 33.259,78.888 h0.5
  text "CAN" at 3.45,76.5 h1
  text "VCAP" at 40.309,71.263 h0.5
  text "CAN_PWR / JUMPER" at 67.484,60.925 h0.5
  text "VCAP" at 35.484,52.638 h0.5
  text "CH_1" at 1.146,41.292 h1
  text "CH_4" at 18.355,41.292 h1
  text "CH_5" at 24.305,41.292 h1
  text "CH_8" at 41.68,41.292 h1
  text "CH_9" at 47.505,41.292 h1
  text "CH_12" at 65.15,41.292 h1
  text "CH_2" at 0.98,37.542 h1
  text "CH_3" at 18.355,37.542 h1
  text "CH_6" at 24.305,37.542 h1
  text "CH_7" at 41.68,37.542 h1
  text "CH_10" at 46.65,37.542 h1
  text "CH_11" at 65.15,37.542 h1
  text "LightLink V2" at 70.8,7.466 h2
  text "Designed with help from  / Noah, Magda, and D!" at 70.5,3 h0.75
  text "JLCJLCJLCJLC" at 4.104,1.679 h1.25
Mechanical 1:
  the board outline again, w0.1
Mechanical 2:
  lines w0.2: 0,5 0,90 ; 0,54.075 0,55.275 43.65,55.275 53.1,64.725 61,64.725 ; 5,0 95,0 ; 5,95 95,95 ; 39.7,95 40.75,95 40.75,75.125 43.075,72.8 60.425,72.8 61,72.225 61,64.725 ; 100,5 100,90 ; 100,63.6 62.125,63.6 61,64.725
  lines w0.5: 0,5 ccw(c5,5) 5,0 ; 0,90 cw(c5,90) 5,95 ; 95,0 ccw(c95,5) 100,5 ; 95,95 cw(c95,90) 100,90

## Text inside footprints (layer, text, board x,y; h text height)
U4: Top 3D Body "*" at 19.335,80.2 h1.27 r180; Top Overlay "*" at 20.459,79.322 h1.27 r180